# Altium PCB MB1605.PcbDoc (part 11 of 11)
Units mm, origin at the board's own origin, x right, y up, seen from the top; angles counter-clockwise.
Board outline 100 x 79.6 mm, 6 copper layers (Top Layer, Signal Layer 1, Signal Layer 2, Signal Layer 3, Signal Layer 4, Bottom Layer), stack 1.549 mm thick; 644 components, 529 nets, 2853 pads, 1462 vias.
Unrouted connection lines stored in the file: 2.
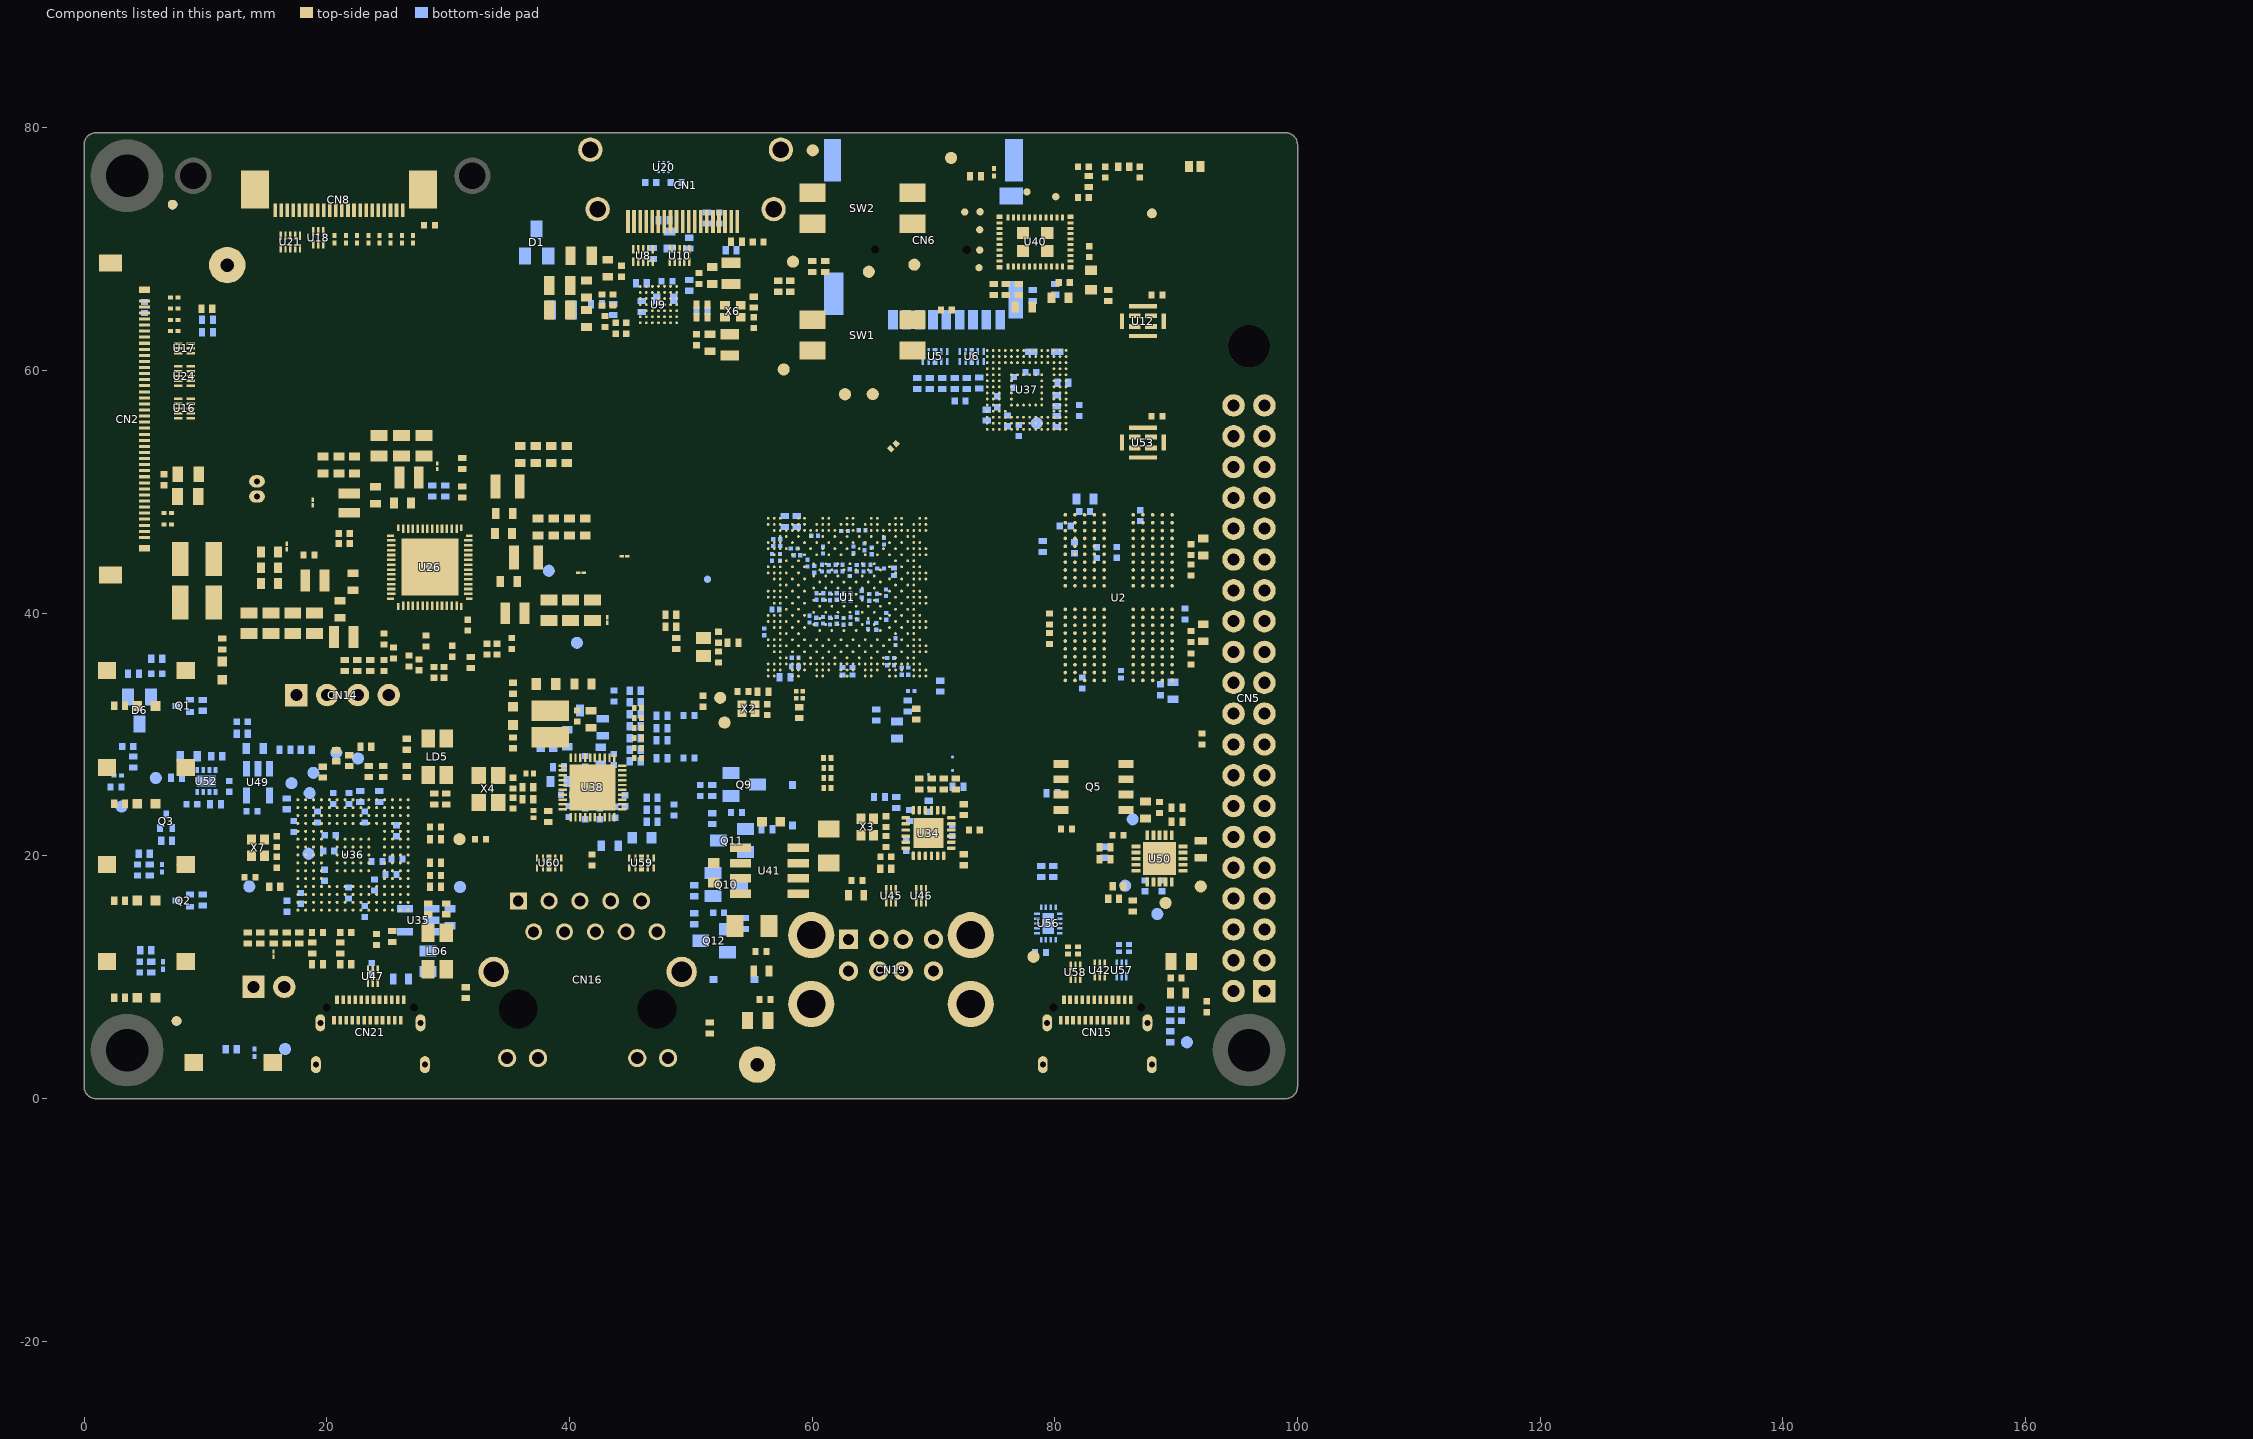
[diagram p15: the components of this part, seen from the top]

## Other copper
Top Layer:
  rectangle net 5V_STLK: 9.039,50.774 10.264,52.124
  rectangle net GND: 9.414,48.925 10.264,50.325
  rectangle net VDD2_DDR: 15.655,41.8 18.625,43.6
  region net 5V_STLK: 86.495,22.224 86.495,25.487 82.045,25.487 82.045,22.224
  region net 5V_STLK: 55.12,5.756 55.12,7.156 52.72,7.156 52.72,5.756
  pour cut-out: 90,78.05 cw(c89.925,78.05) 89.925,77.975 82.8,77.975 ccw(c82.8,76.8) 81.625,76.8 81.625,73.8 cw(c81.55,73.8) 81.55,73.725 81.075,73.725 ccw(c81.075,73.575) 80.925,73.575 80.925,71.075 ccw(c81,71.075) 81,71 81.904,71 ccw(c81.904,73.072) 83.975,73.072 83.975,75.494 cw(c84.106,75.494) 84.106,75.625 89.925,75.625 cw(c89.925,75.55) 90,75.55 90,65.6 101.05,65.6 101.05,80 90,80
  region: 174.525,73.275 ccw(c174.575,73.275) 174.575,73.225 174.975,73.225 ccw(c174.975,73.275) 175.025,73.275 175.025,84.175 ccw(c174.975,84.175) 174.975,84.225 167.4,84.225 167.4,83.725 174.525,83.725
  region net NetL1_1: 27.572,49.875 ccw(c27.269,49.883) 27.478,50.102 27.455,50.125 27.455,50.187 27.526,50.194 ccw(c27.525,50.194) 27.525,50.195 27.675,50.075
  region net GND: 32.225,44 32.15,43.925 32.072,43.925 cw(c32.072,43.798) 32.162,43.888 32.188,43.862 ccw(c32.278,43.952) 32.278,43.825 32.947,43.825 cw(c32.947,43.698) 33.037,43.788 33.1,43.725 33.229,43.854 cw(c33.28,43.803) 33.28,43.875
  region net 5V_STLK: 33.605,47.78 33.43,47.672 ccw(c33.563,47.473) 33.394,47.642 33.353,47.601 ccw(c33.613,47.342) 33.246,47.342 33.246,47.326 ccw(c33.601,47.326) 33.35,47.075 33.35,45.539 33.349,45.538 33.347,45.551 32.876,45.08 32.27,45.08 32.27,45.345 32.506,45.345 32.98,45.819 32.98,48.347 33.308,48.67 34.325,48.67 34.325,47.78
  region net 5V_STLK: 25.23,48.524 25.131,48.425 24.775,48.425 cw(c24.775,48.775) 24.425,48.775 24.425,48.825 23.7,48.825 ccw(c23.7,48.75) 23.625,48.75 23.625,48.4 ccw(c23.827,48.397) 23.825,48.195 26.45,48.195 26.85,47.8 27.112,47.8 26.391,48.521 26.125,48.525
  region net GND: 24.9,47.685 24.807,47.685 ccw(c24.807,47.584) 24.735,47.655 24.455,47.375 ccw(c24.526,47.303) 24.425,47.303 24.425,46.975 24.925,46.975 cw(c25.323,46.982) 25.315,47.38 25.575,47.375 ccw(c25.575,47.423) 25.609,47.389 25.705,47.485
  region: 99,66.175 ccw(c99.05,66.175) 99.05,66.125 99.45,66.125 ccw(c99.45,66.175) 99.5,66.175 99.5,77.075 ccw(c99.45,77.075) 99.45,77.125 91.875,77.125 91.875,76.625 99,76.625
  pour cut-out: 70.033,46.694 74.981,51.642 87.419,51.642 90.759,48.302 90.759,33.774 86.353,29.368 75.322,29.368 69.961,34.644
  pour cut-out: 45.292,67.365 49.286,67.365 49.286,63.578 45.292,63.578
  pour cut-out: 74.075,62 81.35,62 81.35,54.798 74.075,54.798
  pour cut-out: 80.525,48.72 90.26,48.72 90.26,34.328 80.525,34.328
  pour cut-out: 55.55,48.775 69.762,48.775 69.762,34.3 55.55,34.3
  pour cut-out: 17.29,24.95 27.025,24.95 27.025,15.175 17.29,15.175
  region net GND: 39,41.298 39,42.651 37.6,42.651 37.6,41.298
  region net GND: 40.8,41.298 40.8,42.651 39.4,42.651 39.4,41.298
  region net GND: 42.6,41.298 42.6,42.651 41.2,42.651 41.2,41.298
  pour cut-out: 40.075,31.025 40.075,30.725 36.85,30.725 36.85,31.05
  region net NetQ5_7: 82.045,25.887 82.045,28.387 91.336,28.387 93.46,26.262 93.46,20.94 91.525,20.94 91.525,22.442 91.617,22.534 91.617,24.297 90.027,25.887
  region net GND: 36.502,42.375 36.307,42.18 36,42.18 36,43.07 36.475,43.07 36.67,42.875 36.67,42.375
  region net GND: 36.325,47.975 36.13,47.78 35.275,47.78 35.275,48.67 36.13,48.67 36.325,48.475
  region net GND: 24.275,51.373 24.47,51.178 24.47,50.723 23.58,50.723 23.58,51.178 23.775,51.373
  region net GND: 36.3,46.325 36.105,46.13 35.25,46.13 35.25,47.02 36.105,47.02 36.3,46.825
  region net GND: 37.65,48.825 37.845,48.63 37.845,47.775 36.955,47.775 36.955,48.63 37.15,48.825
  region net GND: 38.95,48.825 39.145,48.63 39.145,47.775 38.255,47.775 38.255,48.63 38.45,48.825
  region net GND: 40.25,48.825 40.445,48.63 40.445,47.775 39.555,47.775 39.555,48.63 39.75,48.825
  region net GND: 41.55,48.825 41.745,48.63 41.745,47.775 40.855,47.775 40.855,48.63 41.05,48.825
  region net VDDIO: 41.58,38.835 41.58,38.719 41.227,38.366 41.227,37.235 41.58,37.235 42.22,37.235 42.577,37.235 42.577,38.431 42.22,38.788 42.22,39.212 41.58,39.212
  region net 5V_STLK: 20.075,39.948 20.725,39.948 20.725,39.305 20.42,39.305 20.325,39.4 20.075,39.4
  region net GND: 19.025,40.798 19.175,40.648 19.175,40.398 18.3,40.398 18.3,40.823 18.525,41.048 19.025,41.048
  region net GND: 19.025,40.798 18.875,40.648 18.875,40.398 19.7,40.398 19.7,40.873 19.525,41.048 19.025,41.048
  region net GND: 17.225,40.798 17.375,40.648 17.375,40.398 16.5,40.398 16.5,40.823 16.725,41.048 17.225,41.048
  region net GND: 17.225,40.798 17.075,40.648 17.075,40.398 17.9,40.398 17.9,40.873 17.725,41.048 17.225,41.048
  region net GND: 15.425,40.798 15.575,40.648 15.575,40.398 14.7,40.398 14.7,40.823 14.925,41.048 15.425,41.048
  region net GND: 15.425,40.798 15.275,40.648 15.275,40.398 16.1,40.398 16.1,40.873 15.925,41.048 15.425,41.048
  region net GND: 13.625,40.798 13.775,40.648 13.775,40.398 12.9,40.398 12.9,40.823 13.125,41.048 13.625,41.048
  region net GND: 13.625,40.798 13.475,40.648 13.475,40.398 14.3,40.398 14.3,40.873 14.125,41.048 13.625,41.048
  region net GND: 20.075,40.75 20.12,40.705 20.68,40.705 20.725,40.75 20.725,41.345 20.42,41.345 20.325,41.25 20.075,41.25
  region net 5V_STLK: 23.25,43.62 23.25,43.4 22.83,42.98 21.15,42.98 21.15,43.525 21.4,43.525 21.495,43.62
  region net GND: 21.925,40.952 21.73,41.147 21.73,41.602 22.62,41.602 22.62,41.147 22.425,40.952
  region net 5V_STLK: 27.175,49.85 27.27,49.755 27.27,49.45 26.63,49.45 26.63,49.805 26.675,49.85 26.675,50.1 27.175,50.1
  region net GND: 24.6,49.323 24.797,49.52 25.25,49.52 25.25,48.63 24.793,48.63 24.6,48.823
  region net VDD2_DDR: 16.295,45.615 16.295,45.731 16.648,46.084 16.648,47.215 16.295,47.215 15.655,47.215 15.298,47.215 15.298,46.019 15.655,45.662 15.655,45.238 16.295,45.238
  region net GND: 13.6,42.7 13.795,42.895 14.575,42.895 14.575,42.005 13.795,42.005 13.6,42.2
  region net GND: 13.6,44 13.795,44.195 14.575,44.195 14.575,43.305 13.795,43.305 13.6,43.5
  region net GND: 13.6,45.3 13.795,45.495 14.575,45.495 14.575,44.605 13.795,44.605 13.6,44.8
  region net GND: 22.55,53.873 22.745,53.678 22.745,53.223 21.855,53.223 21.855,53.678 22.05,53.873
  region net GND: 21.25,53.873 21.445,53.678 21.445,53.223 20.555,53.223 20.555,53.678 20.75,53.873
  region net GND: 19.95,53.873 20.145,53.678 20.145,53.223 19.255,53.223 19.255,53.678 19.45,53.873
  region net GND: 40.025,54.825 40.22,54.63 40.22,53.775 39.33,53.775 39.33,54.63 39.525,54.825
  region net GND: 38.75,54.825 38.945,54.63 38.945,53.775 38.055,53.775 38.055,54.63 38.25,54.825
  region net GND: 37.475,54.825 37.67,54.63 37.67,53.775 36.78,53.775 36.78,54.63 36.975,54.825
  region net GND: 36.2,54.825 36.395,54.63 36.395,53.775 35.505,53.775 35.505,54.63 35.7,54.825
  region net GND: 24.325,55.425 24.475,55.275 24.475,55.025 23.6,55.025 23.6,55.45 23.825,55.675 24.325,55.675
  region net GND: 24.325,55.425 24.175,55.275 24.175,55.025 25,55.025 25,55.5 24.825,55.675 24.325,55.675
  region net GND: 26.175,55.425 26.025,55.275 26.025,55.025 26.85,55.025 26.85,55.5 26.675,55.675 26.175,55.675
  region net GND: 26.175,55.425 26.325,55.275 26.325,55.025 25.45,55.025 25.45,55.45 25.675,55.675 26.175,55.675
  region net GND: 28.025,55.425 27.875,55.275 27.875,55.025 28.7,55.025 28.7,55.5 28.525,55.675 28.025,55.675
  region net GND: 28.025,55.425 28.175,55.275 28.175,55.025 27.3,55.025 27.3,55.45 27.525,55.675 28.025,55.675
  region net NetL2_1: 33.65,50.225 33.65,49.45 33.515,49.45 32.825,48.76 32.825,46 32.35,45.525 32.025,45.525 32.025,45.675 32.114,45.675 32.27,45.831 32.45,46.011 32.505,46.094 32.525,46.191 32.525,46.742 32.57,46.85 32.57,47.01 32.509,47.157 32.397,47.269 32.27,47.322 32.25,47.325 32.25,51.102 32.598,51.45 33.515,51.45 33.65,51.315 33.65,51.2
  region net NetL4_1: 34.525,45.6 34.525,43.6 35.434,43.6 35.434,45.6
  region net NetL3_1: 22.575,46.975 21.388,48.162 22.488,48.162 22.575,48.075 26.18,48.075 26.42,47.835 24.79,47.835 24.768,47.833 24.748,47.829 24.72,47.82 24.701,47.813 24.675,47.799 24.658,47.788 24.635,47.769 24.341,47.474 24.322,47.452 24.311,47.435 24.302,47.419 24.29,47.39 24.286,47.378 24.281,47.362 24.277,47.342 24.276,47.327 24.274,47.313 24.274,46.975
  region net NetL3_1: 23.783,48.045 23.754,48.048 23.725,48.057 23.651,48.089 23.625,48.103 23.603,48.122 23.547,48.18 23.528,48.203 23.514,48.229 23.488,48.294 23.481,48.316 23.458,48.347 23.433,48.367 23.397,48.391 23.351,48.4 22.575,48.4 22.575,47.263
  region net NetL7_1: 22.875,38.35 22.575,38.05 21.8,38.05 21.8,38.95 22.875,40.02
  region net NetL1_1: 27.995,50.275 27.65,49.93 27.195,50.385 27.195,52.075 27.995,52.075
  region net NetL5_1: 19.425,43.948 19.65,44.173 21.025,44.173 21.025,42.323 20.502,41.8 20.225,41.8 19.425,41.8
  region net 5V_STLK: 34.125,45.25 33.55,44.675 32.875,44.675 32.875,44.85 33.4,45.375
  region net GND: 32.83,44.125 33.28,44.125 33.28,43.825 33.155,43.7 32.98,43.875 32.83,43.875
  region net 5V_STLK: 34.075,41.85 33.977,41.948 33.977,42.625 34.62,42.625 34.62,41.895 34.575,41.85 34.575,41.6 34.075,41.6
  region net 5V_STLK: 34.075,41.875 34.075,42.125 33.175,43.025 33.925,43.025 34.247,42.703
  region net 5V_STLK: 34.195,46.175 34.195,45.32 34.125,45.25 34,45.375 33.4,45.375 33.555,45.53 33.555,46.175
  pour cut-out: 42.6,39.925 37.63,39.925 37.63,40.575 42.6,40.575
  pour cut-out: 12.9,38.773 19.55,38.773 19.55,39.573 12.9,39.573
  region net 5V_STLK: 34.175,49 34.325,48.85 34.325,48.6 33.525,48.6 33.525,48.85 33.675,49 33.675,49.25 34.175,49.25
  region net 5V_STLK: 23.25,49.3 23.295,49.345 23.65,49.345 23.65,48.65 23.4,48.65 23.25,48.8 23,48.8 23,49.3
  region net GND: 31.921,46.656 32.02,46.656 32.049,46.653 32.078,46.644 32.104,46.63 32.127,46.612 32.145,46.589 32.17,46.555 32.17,46.23 32.27,46.23 32.27,46.93 31.921,46.93
  region net 5V_STLK: 27.425,47.725 27.4,47.725 26.63,48.495 26.63,48.825 27.27,48.825 27.27,48.605 27.4,48.475 27.4,47.925
  region net GND: 25.575,47.375 25.24,47.375 25.24,47.385
  pour cut-out: 35.9,41.075 35.1,41.075 35.1,38.975 35.9,38.975
  pour cut-out: 36.955,45.45 35.895,45.45 35.895,43.35 36.955,43.35
  pour cut-out: 35.445,51.25 34.385,51.25 34.385,49.15 35.445,49.15
  pour cut-out: 21.94,39.1 20.88,39.1 20.88,37 21.94,37
  pour cut-out: 27.155,52.225 26.435,52.225 26.435,50.125 27.155,50.125
  pour cut-out: 20.8,49.605 20.8,48.545 22.9,48.545 22.9,49.605
  pour cut-out: 21.5,40.6 19.55,40.6 19.55,40.025 21.5,40.025
  region net 5V_STLK: 22.875,40.9 22.716,40.9 22.689,40.874 22.648,40.842 22.602,40.815 22.554,40.795 22.503,40.782 22.451,40.775 22.425,40.774 21.925,40.774 21.899,40.775 21.847,40.782 21.796,40.795 21.748,40.815 21.702,40.842 21.661,40.874 21.65,40.45 21.65,39.945 21.375,39.945 21.375,39.305 21.83,39.305 22.599,40.074 22.599,40.184 22.603,40.227 22.613,40.27 22.629,40.31 22.652,40.346 22.68,40.379 23.038,40.737
  pour cut-out: 18.495,41.65 19.555,41.65 19.555,43.75 18.495,43.75
  pour cut-out: 35.855,40.875 37.63,40.875 37.63,39.6 36.3,39.6
  region net 5V_STLK: 34.125,47.35 34.275,47.2 34.275,46.95 33.475,46.95 33.475,47.2 33.625,47.35 33.625,47.6 34.125,47.6
  text "1" at 1.614,70.692 h2
Signal Layer 1:
  text "2" at 2.9,70.692 h2
Signal Layer 2:
  text "3" at 4.406,70.703 h2
Signal Layer 3:
  text "4" at 6.769,70.694 h2
Signal Layer 4:
  text "5" at 8.249,70.713 h2
Bottom Layer:
  pour cut-out: 76.092,40.03 76.093,40.029 76.093,31.983 79.372,28.704 79.398,28.729 95.509,28.729 98.821,32.041 98.812,32.05 98.812,37.325 97.242,38.896 86.519,38.896 83.809,41.606 77.671,41.606 76.093,40.028
  region net 5V_STLK: 9.986,26.827 9.186,26.827 9.186,27.922 9.016,28.092 9.016,30.012 10.936,30.012 10.936,29.592 10.566,29.222 9.986,28.642
  region net VBUS_STLK: 10.286,22.707 10.286,23.099 9.986,23.399 9.986,25.527 9.186,25.527 9.186,23.886 8.421,23.121 8.421,22.729 9.126,22.024 9.603,22.024
  text "6" at 9.748,70.702 h2

## Silkscreen, mask and mechanical layers (free items; w line width, h text height)
Top Overlay:
  lines w0.15: 11.334,29.846 11.334,29.518 11.547,29.305 19.167,29.305 19.698,28.774 19.698,28.351 ; 35.752,26.883 35.94,27.259 ; 35.779,21.512 36.182,24.097 ; 49.675,62.725 49.675,64.55 50.025,64.9
  text "BOOT3" at 68.063,75.618 h1.2
  text "HDMI" at 36.968,75.21 h2
  text "CSI" at 29.699,72.452 h2
  text "GND" at 10.739,70.565 h1.2
  text "BOOT2" at 68.089,69.878 h1.2
  text "BOOT1" at 68.034,65.693 h1.2
  text "J" at 20.837,60.494 h15
  text "MB1605C" at 19.907,58.875 h3
  text "BOOT0" at 67.488,58.48 h1.2
  text "I" at 11.65,56.115 h15
  text "G" at 33.288,55.556 h11
  text "E" at 44.597,52.495 h12
  text "H" at 44.461,45.08 h15
  text "F" at 71.3,42.158 h12
  text "LVDS" at 1.176,40.909 h2
  text "WAKE UP" at 1.063,37.75 h2
  text "RESERVED" at 15.964,30.434 h2
  text "TAMPER" at 1.34,29.563 h2
  text "C" at 70.691,29.487 h11
  text "COM" at 32.263,28.177 h2 r90
  text "USER2" at 2.272,21.666 h2
  text "USER1" at 2.142,13.697 h2
  text "PWR" at 32.19,10.17 h2 r90
  text "RESET" at 9.548,5.243 h2
  text "GND" at 53.71,1.714 h1.2 r90
  text "USB" at 59.366,1.505 h2 r90
  text "ETH" at 51.79,1.405 h2 r90
  text "USB DRD" at 78.165,0.395 h2 r90
  text "USB PWR / STLNK" at 31.533,0.355 h2 r90
Bottom Overlay:
  lines w0.15: 57.925,42.3 58.15,42.525 58.15,44.475
Top Solder:
  region: 1.325,72.334 1.325,70.334 10.075,70.334 10.075,72.334
Bottom Solder:
  region: 1.325,72.334 1.325,70.334 10.075,70.334 10.075,72.334
M1-Board Shape:
  the board outline again, w0.02
M2-Board Dimensions:
  drawing of 613 lines, arcs and shapes, not listed
M3-Top Dimensions:
  drawing of 208 lines, arcs and shapes, not listed
M4-Bottom Dimensions:
  drawing of 328 lines, arcs and shapes, not listed
M5-Top Constraints:
  drawing of 298 lines, arcs and shapes, not listed
M6-Bottom Constraints:
  drawing of 290 lines, arcs and shapes, not listed
Top M7-Top Info/M8_Bottom info:
  drawing of 432 lines, arcs and shapes, not listed
Bottom M7-Top Info/M8_Bottom info:
  drawing of 290 lines, arcs and shapes, not listed
Mechanical 9:
  drawing of 292 lines, arcs and shapes, not listed
Mechanical 10:
  lines w0.013: -857.045,-807.285 -856.41,-807.285 -856.41,-807.641 ; 139.25,87.023 164.25,87.023 164.25,73.023
Drill Drawing:
  drawing of 358 lines, arcs and shapes, not listed
  text "Layer" at 122.2,127.475 h2
  text "Name" at 130.567,127.475 h2
  text "Material" at 146.741,127.475 h2
  text "Thickness" at 161.275,127.475 h2
  text "Constant" at 173.215,127.475 h2
  text "PCB SPECIFICATIONS :" at -27.02,127.275 h3
  text "Top Overlay" at 130.567,123.475 h2
  text "A.   MATERIAL :" at -27.02,123.275 h3
  text "FR-4" at 11.48,123.275 h3
  text "TG-170" at 27.98,123.275 h3
  text "X  TG-150" at 46.23,123.275 h3
  text "TG-140" at 62.23,123.275 h3
  text "B.   MATERIAL FAMILY :" at -27.02,120.275 h3
  text "N/A" at 11.48,120.275 h3
  text "Top Solder" at 130.567,119.475 h2
  text "Solder Resist" at 146.741,119.475 h2
  text "0.025mm" at 161.275,119.475 h2
  text "3.5" at 173.215,119.475 h2
  text "C.   SOLDERMASK COLOR :" at -27.02,117.275 h3
  text "GREEN" at 11.48,117.275 h3
  text "X  BLUE" at 27.98,117.275 h3
  text "RED" at 46.23,117.275 h3
  text "BLACK" at 62.23,117.275 h3
  text "1" at 122.2,115.475 h2
  text "Top Layer" at 130.567,115.475 h2
  text "0.037mm" at 161.275,115.475 h2
  text "D.   SILKSCREEN COLOR :" at -27.02,114.275 h3
  text "X  WHITE" at 11.48,114.275 h3
  text "YELLOW" at 27.98,114.275 h3
  text "BLACK" at 46.23,114.275 h3
  text "PCB : TYPE 4" at 187.138,113.471 h3
  text "Dielectric 1" at 130.567,111.475 h2
  text "0.072mm" at 161.275,111.475 h2
  text "3.8" at 173.215,111.475 h2
  text "E.   SURFACE FINISH :" at -27.02,111.275 h3
  text "X  ENIG" at 11.48,111.275 h3
  text "IMMERSION SILVER" at 27.98,111.275 h3
  text "IMMERSION TIN" at 62.23,111.275 h3
  text "HASL" at 11.48,108.275 h3
  text "HASL (PB-FREE)" at 27.98,108.275 h3
  text "GOLDEN FINGER" at 62.23,108.275 h3
  text "ASPECT-RATIO, AXE Z :" at 187.138,107.971 h3
  text "2" at 122.199,107.475 h2
  text "Signal Layer 1" at 130.567,107.475 h2
  text "0.035mm" at 161.275,107.475 h2
  text "F.   IMPEDANCE CONTROL :" at -27.02,105.275 h3
  text "NO" at 11.48,105.275 h3
  text "X  YES" at 27.98,105.275 h3
  text "Dielectric 2" at 130.567,103.475 h2
  text "0.500mm" at 161.275,103.475 h2
  text "5" at 173.215,103.475 h2
  text "G.   THROUGH VIA :" at -27.02,102.275 h3
  text "PLUG THE VIAS WHICH ARE COVERED WITH SOLDERMASK ONE OR TWO SIDE." at 11.48,102.275 h3
  text "6 :1  to  8 :1 / LEVEL \"B\"" at 187.157,101.224 h3
  text "3" at 122.2,99.475 h2
  text "Signal Layer 2" at 130.567,99.475 h2
  text "0.035mm" at 161.275,99.475 h2
  text "PLUG MATERIAL :" at 11.48,99.275 h3
  text "X  SOLDERMASK" at 36.98,99.275 h3
  text "NON-CONDUCTIVE EPOXY." at 62.23,99.275 h3
  text "H.   STACK-UP :" at -27.02,96.275 h3
  text "SEE LAYER STACK-UP SEQUENCE FOR OVERALL THICKNESS." at 11.48,96.275 h3
  text "Dielectric 3" at 130.567,95.475 h2
  text "0.191mm" at 161.275,95.475 h2
  text "4.3" at 173.215,95.475 h2
  text "4" at 122.2,91.475 h2
  text "Signal Layer 3" at 130.567,91.475 h2
  text "0.035mm" at 161.275,91.475 h2
  text "MINIMUN PARAMETERS" at 187.25,89.695 h3
  text "Dielectric 4" at 130.567,87.475 h2
  text "0.500mm" at 161.275,87.475 h2
  text "5" at 173.215,87.475 h2
  text "DEFAULT" at 187.25,84.195 h3
  text "5" at 122.2,83.475 h2
  text "Signal Layer 4" at 130.567,83.475 h2
  text "0.035mm" at 161.275,83.475 h2
  text "Dielectric 5" at 130.567,79.475 h2
  text "0.072mm" at 161.275,79.475 h2
  text "3.8" at 173.215,79.475 h2
  text "TRACKS : 0.100mm           / GAPS : 0.100mm" at 187.25,78.445 h3
  text "6" at 122.2,75.475 h2
  text "Bottom Layer" at 130.567,75.475 h2
  text "0.037mm" at 161.275,75.475 h2
  text "BGA :" at 187.225,73.62 h3
  text "Bottom Solder" at 130.567,71.475 h2
  text "Solder Resist" at 146.741,71.475 h2
  text "0.025mm" at 161.275,71.475 h2
  text "3.5" at 173.215,71.475 h2
  text "TRACKS : 0.090mm           / GAPS : 0.090mm" at 187.225,67.87 h3
  text "Bottom Overlay" at 130.567,67.475 h2
  text "Symbol" at 108.266,55.347 h2.4
  text "Count" at 117.656,55.347 h2.4
  text "Hole Size" at 128.267,55.347 h2.4
  text "Plated" at 139.67,55.347 h2.4
  text "Hole Type" at 147.915,55.347 h2.4
  text "Drill Layer Pair" at 159.916,55.347 h2.4
  text "Via/Pad" at 183.096,55.347 h2.4
  text "Pad Shape" at 192.929,55.347 h2.4
  text "Hole Length" at 205.775,55.347 h2.4
  text "29" at 117.656,51.208 h2
  text "0.100mm" at 128.267,51.208 h2
  text "PTH" at 139.67,51.208 h2
  text "Round" at 147.915,51.208 h2
  text "Top Layer - Signal Layer 1" at 159.916,51.208 h2
  text "Via" at 183.096,51.208 h2
  text "Rounded" at 192.929,51.208 h2
  text "-" at 205.775,51.208 h2
  text "E" at 107.478,50.954 h1.84
  text "610" at 117.656,47.068 h2
  text "0.200mm" at 128.267,47.068 h2
  text "PTH" at 139.67,47.068 h2
  text "Round" at 147.915,47.068 h2
  text "Top Layer - Bottom Layer" at 159.916,47.068 h2
  text "Via" at 183.096,47.068 h2
  text "Rounded" at 192.929,47.068 h2
  text "-" at 205.775,47.068 h2
  text "D" at 107.478,46.814 h1.84
  text "823" at 117.656,42.928 h2
  text "0.350mm" at 128.267,42.928 h2
  text "PTH" at 139.67,42.928 h2
  text "Round" at 147.915,42.928 h2
  text "Top Layer - Bottom Layer" at 159.916,42.928 h2
  text "Via" at 183.096,42.928 h2
  text "Rounded" at 192.929,42.928 h2
  text "-" at 205.775,42.928 h2
  text "C" at 107.478,42.675 h1.84
  text "2" at 117.656,38.788 h2
  text "0.500mm" at 128.267,38.788 h2
  text "PTH" at 139.67,38.788 h2
  text "Round" at 147.915,38.788 h2
  text "Top Layer - Bottom Layer" at 159.916,38.788 h2
  text "Pad" at 183.096,38.788 h2
  text "Rounded" at 192.929,38.788 h2
  text "-" at 205.775,38.788 h2
  text "8" at 117.656,34.649 h2
  text "0.500mm" at 128.267,34.649 h2
  text "PTH" at 139.67,34.649 h2
  text "Slot" at 147.915,34.649 h2
  text "Top Layer - Bottom Layer" at 159.916,34.649 h2
  text "Pad" at 183.096,34.649 h2
  text "Rounded" at 192.929,34.649 h2
  text "1.100mm" at 205.775,34.649 h2
  text "3" at 117.656,30.509 h2
  text "0.650mm" at 128.267,30.509 h2
  text "NPTH" at 139.67,30.509 h2
  text "Round" at 147.915,30.509 h2
  text "Top Layer - Bottom Layer" at 159.916,30.509 h2
  text "Pad" at 183.096,30.509 h2
  text "Rounded" at 192.929,30.509 h2
  text "-" at 205.775,30.509 h2
  text "2" at 117.656,26.369 h2
  text "0.650mm" at 128.267,26.369 h2
  text "NPTH" at 139.67,26.369 h2
  text "Slot" at 147.915,26.369 h2
  text "Top Layer - Bottom Layer" at 159.916,26.369 h2
  text "Pad" at 183.096,26.369 h2
  text "Rounded" at 192.929,26.369 h2
  text "0.950mm" at 205.775,26.369 h2
  text "1" at 117.656,22.23 h2
  text "0.700mm" at 128.267,22.23 h2
  text "NPTH" at 139.67,22.23 h2
  text "Round" at 147.915,22.23 h2
  text "Top Layer - Bottom Layer" at 159.916,22.23 h2
  text "Pad" at 183.096,22.23 h2
  text "Rounded" at 192.929,22.23 h2
  text "-" at 205.775,22.23 h2
  text "10" at 117.656,18.09 h2
  text "0.900mm" at 128.267,18.09 h2
  text "PTH" at 139.67,18.09 h2
  text "Round" at 147.915,18.09 h2
  text "Top Layer - Bottom Layer" at 159.916,18.09 h2
  text "Pad" at 183.096,18.09 h2
  text "(Mixed)" at 192.929,18.09 h2
  text "-" at 205.775,18.09 h2
  text "8" at 117.656,13.95 h2
  text "0.920mm" at 128.267,13.95 h2
  text "PTH" at 139.67,13.95 h2
  text "Round" at 147.915,13.95 h2
  text "Top Layer - Bottom Layer" at 159.916,13.95 h2
  text "Pad" at 183.096,13.95 h2
  text "(Mixed)" at 192.929,13.95 h2
  text "-" at 205.775,13.95 h2
  text "A" at 107.478,13.696 h1.84
  text "50" at 117.656,9.81 h2
  text "1.000mm" at 128.267,9.81 h2
  text "PTH" at 139.67,9.81 h2
  text "Round" at 147.915,9.81 h2
  text "Top Layer - Bottom Layer" at 159.916,9.81 h2
  text "Pad" at 183.096,9.81 h2
  text "Rounded" at 192.929,9.81 h2
  text "-" at 205.775,9.81 h2
  text "2" at 117.656,5.671 h2
  text "1.100mm" at 128.267,5.671 h2
  text "PTH" at 139.67,5.671 h2
  text "Round" at 147.915,5.671 h2
  text "Top Layer - Bottom Layer" at 159.916,5.671 h2
  text "Pad" at 183.096,5.671 h2
  text "Rounded" at 192.929,5.671 h2
  text "-" at 205.775,5.671 h2
  text "4" at 117.656,1.531 h2
  text "1.350mm" at 128.267,1.531 h2
  text "PTH" at 139.67,1.531 h2
  text "Round" at 147.915,1.531 h2
  text "Top Layer - Bottom Layer" at 159.916,1.531 h2
  text "Pad" at 183.096,1.531 h2
  text "Rounded" at 192.929,1.531 h2
  text "-" at 205.775,1.531 h2
  text "2" at 117.656,-2.609 h2
  text "1.700mm" at 128.267,-2.609 h2
  text "PTH" at 139.67,-2.609 h2
  text "Round" at 147.915,-2.609 h2
  text "Top Layer - Bottom Layer" at 159.916,-2.609 h2
  text "Pad" at 183.096,-2.609 h2
  text "Rounded" at 192.929,-2.609 h2
  text "-" at 205.775,-2.609 h2
  text "2" at 117.656,-6.748 h2
  text "2.200mm" at 128.267,-6.748 h2
  text "PTH" at 139.67,-6.748 h2
  text "Round" at 147.915,-6.748 h2
  text "Top Layer - Bottom Layer" at 159.916,-6.748 h2
  text "Pad" at 183.096,-6.748 h2
  text "Rounded" at 192.929,-6.748 h2
  text "-" at 205.775,-6.748 h2
  text "4" at 117.656,-10.888 h2
  text "2.330mm" at 128.267,-10.888 h2
  text "PTH" at 139.67,-10.888 h2
  text "Round" at 147.915,-10.888 h2
  text "Top Layer - Bottom Layer" at 159.916,-10.888 h2
  text "Pad" at 183.096,-10.888 h2
  text "Rounded" at 192.929,-10.888 h2
  text "-" at 205.775,-10.888 h2
  text "B" at 107.478,-11.142 h1.84
  text "2" at 117.656,-15.028 h2
  text "3.200mm" at 128.267,-15.028 h2
  text "NPTH" at 139.67,-15.028 h2
  text "Round" at 147.915,-15.028 h2
  text "Top Layer - Bottom Layer" at 159.916,-15.028 h2
  text "Pad" at 183.096,-15.028 h2
  text "Rounded" at 192.929,-15.028 h2
  text "-" at 205.775,-15.028 h2
  text "1" at 117.656,-19.168 h2
  text "3.500mm" at 128.267,-19.168 h2
  text "NPTH" at 139.67,-19.168 h2
  text "Round" at 147.915,-19.168 h2
  text "Top Layer - Bottom Layer" at 159.916,-19.168 h2
  text "Pad" at 183.096,-19.168 h2
  text "Rounded" at 192.929,-19.168 h2
  text "-" at 205.775,-19.168 h2
  text "3" at 117.656,-23.307 h2
  text "3.500mm" at 128.267,-23.307 h2
  text "PTH" at 139.67,-23.307 h2
  text "Round" at 147.915,-23.307 h2
  text "Top Layer - Bottom Layer" at 159.916,-23.307 h2
  text "Pad" at 183.096,-23.307 h2
  text "Rounded" at 192.929,-23.307 h2
  text "-" at 205.775,-23.307 h2
  text "1566 Total" at 117.656,-27.447 h2
  text "Slot definitions :" at 108.266,-30.345 h2
  text "Routed Path Length" at 121.888,-30.345 h2
  text "= Calculated from tool start centre position to tool end centre position." at 138.771,-30.345 h2
  text "Hole Length" at 121.888,-32.001 h2
  text "= Routed Path Length + Tool Size = Slot length as defined in the PCB layout" at 132.504,-32.001 h2

## Dimensions
1,79.6 to 1,0 on M2-Board Dimensions
0,78.6 to 100,78.6 on M2-Board Dimensions

## Text inside footprints (layer, text, board x,y; h text height)
CART-1: M20-Top Sheet Box "Variant: '.VariantName'" at 5.093,-21.442 h3; M20-Top Sheet Box "Gerber:" at 45.082,-16.442 h3; M20-Top Sheet Box "Layer:" at 5.093,-16.442 h3; M20-Top Sheet Box "R" at 90.589,-23.925 h1.52; M20-Top Sheet Box "Date: '.Board_Document_Date'" at 5.093,-26.442 h3; M20-Top Sheet Box "Ref: '.Board_Reference'" at 45.209,-21.442 h3; M20-Top Sheet Box "Rev: '.Board_PCB_Revision'" at 45.152,-26.442 h3; M20-Top Sheet Box "Project: '.Board_Name'" at 5.093,-11.358 h3; M21-Bottom Sheet Box "Project: '.Board_Name'" at 92.899,-11.358 h3; M21-Bottom Sheet Box "Rev: '.Board_PCB_Revision'" at 52.967,-26.442 h3; M21-Bottom Sheet Box "Ref: '.Board_Reference'" at 52.91,-21.442 h3; M21-Bottom Sheet Box "Date: '.Board_Document_Date'" at 92.899,-26.442 h3; M21-Bottom Sheet Box "R" at 7.784,-23.925 h1.52; M21-Bottom Sheet Box "Layer:" at 92.899,-16.442 h3; M21-Bottom Sheet Box "Gerber:" at 52.91,-16.442 h3; M21-Bottom Sheet Box "Variant: '.VariantName'" at 92.899,-21.442 h3
CN1: Top Assembly "19" at 55.426,72.575 h1.5 r180; Top Assembly "1" at 44.501,72.625 h1.5 r180; Top Overlay "1" at 44.394,72.255 h1.5 r90; Top Overlay "19" at 54.612,71.618 h1.5; Top M7-Top Info/M8_Bottom info "PCB" at 58.976,81.6 h1 r180; Top M7-Top Info/M8_Bottom info "EDGE" at 41.801,81.575 h1 r180
CN2: Top Assembly "40" at 3.85,46.875 h1.2 r270; Top Assembly "1" at 3.894,65.961 h1.2 r270; Top Overlay "40" at 5.6,46.825 h1.2 r270; Top Overlay "1" at 5.6,65.925 h1.2 r270
CN5: Top Assembly "2" at 95.225,8.525 h1.5 r90; Top Assembly "1" at 97.775,8.675 h1.5 r90; Top Assembly "40" at 95.188,56.437 h1.5 r90; Top Assembly "39" at 97.728,56.437 h1.5 r90; Top Overlay "2" at 94.415,6.822 h1.5 r90; Top Overlay "1" at 97.725,7.125 h1.5 r90
CN6: Bottom Assembly "1" at 66.185,65.325 h1.5 r270; Bottom Assembly "9" at 75.01,65.275 h1.5 r270; Bottom Assembly "10" at 75.335,73.7 h1.5 r270; Bottom Overlay "1" at 65.035,63.825 h1.5 r270; Bottom Overlay "9" at 76.135,63.375 h1.5 r270; Bottom Overlay "10" at 76.585,72.025 h1.5 r270; Bottom M7-Top Info/M8_Bottom info "PCB" at 79.185,79.85 h1; Bottom M7-Top Info/M8_Bottom info "EDGE" at 61.61,79.85 h1
CN8: Top Assembly "1" at 15.553,73.39 h1.3 r180; Top Assembly "22" at 27.64,73.39 h1.3 r180; Top Overlay "22" at 26.591,72.394 h1.3; Top Overlay "1" at 14.4,72.158 h1.5
CN12: Top Assembly "1" at 14.65,49.125 h1 r90; Top Assembly "2" at 14.65,51.125 h1 r90; Top Overlay "1" at 15.45,47.65 h1.5 r90
CN14: Top Assembly "1" at 17.305,32.757 h1.5; Top Assembly "4" at 24.73,32.807 h1.5; Top Overlay "1" at 15.655,32.757 h1.5
CN15: Top Assembly "A12" at 85.725,7.825 h0.75; Top Assembly "A1" at 80.3,7.85 h0.75; Top Assembly "B1" at 85.775,6.2 h0.75; Top Assembly "B12" at 79.855,6.175 h0.75; Top Overlay "B12" at 80.903,3.842 h1.3 r90; Top Overlay "A1" at 79.025,8.55 h1.3; Top Overlay "A12" at 86.45,8.6 h1.3; Top Overlay "B1" at 86.333,4.496 h1.3 r90; Top M7-Top Info/M8_Bottom info "EDGE" at 89.625,-0.505 h1; Top M7-Top Info/M8_Bottom info "PCB" at 75.05,-0.505 h1
CN16: Top Assembly "10" at 46.625,13.3 h1.5; Top Assembly "2" at 36.725,13.325 h1.5; Top Assembly "9" at 45.65,15.825 h1.5; Top Assembly "1" at 35.6,15.9 h1.5; Top Assembly "Y" at 46.286,5.74 h1.5; Top Assembly "G" at 35.701,5.74 h1.5; Top Overlay "1" at 32.7,15.775 h1.5; Top M7-Top Info/M8_Bottom info "PCB" at 24.9,-0.725 h1; Top M7-Top Info/M8_Bottom info "EDGE" at 55.7,-0.725 h1
CN19: Top Assembly "1" at 62.8,12.625 h1.5; Top Assembly "2" at 65.15,12.675 h1.5; Top Assembly "3" at 67.175,12.625 h1.5; Top Assembly "4" at 69.6,12.65 h1.5; Top Assembly "5" at 62.65,10.025 h1.5; Top Assembly "6" at 65.175,10.025 h1.5; Top Assembly "7" at 67.175,10.025 h1.5; Top Assembly "8" at 69.675,10 h1.5; Top Overlay "1" at 63.325,15.525 h1.5 r90
CN21: Top Assembly "A12" at 25.825,7.825 h0.75; Top Assembly "A1" at 20.4,7.85 h0.75; Top Assembly "B1" at 25.875,6.2 h0.75; Top Assembly "B12" at 19.955,6.175 h0.75; Top Overlay "B12" at 20.929,3.88 h1.3 r90; Top Overlay "A1" at 19.099,8.566 h1.2; Top Overlay "A12" at 26.55,8.6 h1.2; Top Overlay "B1" at 26.673,4.631 h1.3 r90; Top M7-Top Info/M8_Bottom info "EDGE" at 29.725,-0.505 h1; Top M7-Top Info/M8_Bottom info "PCB" at 15.15,-0.505 h1
D1: Bottom Assembly "3" at 37.45,71.508 h0.7; Bottom Assembly "2" at 36.5,69.133 h0.7; Bottom Assembly "1" at 38.35,69.133 h0.7
D2: Bottom Assembly "K" at 55.477,9.492 h1; Bottom Assembly "A" at 52.162,9.492 h1
D5: Bottom Assembly "K" at 58.055,22.273 h1 r270; Bottom Assembly "A" at 58.055,25.588 h1 r270
D7: Bottom Assembly "K" at 78.1,61.163 h1.2
JP3: Top Assembly "1" at 13.71,8.686 h1.5; Top Overlay "1" at 12.16,8.761 h1.5
LD2: Top Assembly "K" at 35.6,32.445 h0.75 r90
LD4: Top Assembly "K" at 55.726,23.076 h0.75 r180
LD5: Top Assembly "R" at 30.258,28.675 h1.5 r180; Top Assembly "G" at 28.859,28.675 h1.5 r180; Top Overlay "1" at 31.163,27.025 h1.5 r180; Top Overlay "G" at 28.859,28.675 h1.5 r180; Top Overlay "R" at 30.258,28.675 h1.5 r180
LD6: Top Assembly "G" at 29.35,11.669 h1.5; Top Assembly "R" at 27.95,11.669 h1.5; Top Overlay "G" at 29.35,11.669 h1.5; Top Overlay "R" at 27.95,11.669 h1.5; Top Overlay "1" at 27.05,13.644 h1.5
LD7: Top Assembly "K" at 6.036,8.077 h0.75
LD8: Top Assembly "K" at 6.036,24.044 h0.75
LD9: Top Assembly "K" at 6.036,16.077 h0.75
LD11: Top Assembly "K" at 11.136,34.372 h0.75 r270
LED1: Top Assembly "K" at 6.036,32.111 h0.75
Q5: Top Assembly "1" at 81.145,27.562 h1.2 r90; Top Overlay "1" at 80.32,28.337 h1.2 r90
SW1: Top Assembly "2" at 66.817,63.814 h1.5 r90; Top Assembly "1" at 66.817,61.401 h1.5 r90; Top Assembly "4" at 60.37,61.401 h1.3 r90; Top Assembly "3" at 60.36,63.941 h1.3 r90; Top Assembly "2" at 68.765,63.941 h1.3 r90; Top Assembly "1" at 68.765,61.528 h1.3 r90; Top Assembly "ON" at 61.35,59.525 h1.3 r90; Top Assembly "SDA02" at 61.408,62.706 h1.3 r90; Top Overlay "1" at 66.817,61.401 h1.5 r90; Top Overlay "2" at 66.817,63.814 h1.5 r90; Top Overlay "SDA02" at 62.156,62.619 h1.3 r90; Top Overlay "ON" at 62.15,59.55 h1.5 r90; Top Overlay "1" at 69.05,60.4 h1.5 r90
SW2: Top Assembly "SDA02" at 61.35,73.225 h1.3 r90; Top Assembly "ON" at 61.35,69.975 h1.3 r90; Top Assembly "1" at 68.765,71.978 h1.3 r90; Top Assembly "2" at 68.765,74.391 h1.3 r90; Top Assembly "3" at 60.36,74.391 h1.3 r90; Top Assembly "4" at 60.37,71.851 h1.3 r90; Top Assembly "1" at 66.817,71.851 h1.5 r90; Top Assembly "2" at 66.817,74.264 h1.5 r90; Top Overlay "1" at 69.05,70.85 h1.5 r90; Top Overlay "ON" at 62.15,70 h1.5 r90; Top Overlay "SDA02" at 62.025,73.2 h1.3 r90; Top Overlay "2" at 66.817,74.264 h1.5 r90; Top Overlay "1" at 66.817,71.851 h1.5 r90
U1: Top Assembly "A1" at 56.125,47.625 h0.4
U2: Top Assembly "A1" at 89.91,34.64 h0.4 r180; Top Assembly "A8" at 84.385,34.64 h0.4 r180; Top Assembly "A12" at 81.335,34.64 h0.4 r180; Top Assembly "K1" at 89.885,40.49 h0.4 r180; Top Assembly "K5" at 86.76,40.49 h0.4 r180; Top Assembly "K8" at 84.385,40.49 h0.4 r180; Top Assembly "K12" at 81.31,40.49 h0.4 r180; Top Assembly "N1" at 89.91,42.44 h0.4 r180; Top Assembly "N5" at 86.785,42.44 h0.4 r180; Top Assembly "N8" at 84.385,42.44 h0.4 r180; Top Assembly "N12" at 81.335,42.44 h0.4 r180; Top Assembly "AB1" at 90.085,48.29 h0.4 r180; Top Assembly "AB5" at 86.96,48.29 h0.4 r180; Top Assembly "AB8" at 84.56,48.29 h0.4 r180; Top Assembly "AB12" at 81.585,48.29 h0.4 r180; Top Assembly "A5" at 86.785,34.64 h0.4 r180
U3: Top Assembly "K" at 6.867,63.1 h0.45
U4: Top Assembly "K" at 6.854,65.875 h0.45
U7: Top Assembly "K" at 6.854,64.95 h0.45
U8: Top Overlay "1" at 47.1,69.975 h1.4
U9: Top Assembly "A1" at 45.611,66.785 h0.5
U10: Top Overlay "1" at 50.1,70.025 h1.4
U11: Top Assembly "K" at 20.5,71.388 h0.45 r270
U12: Top Assembly "3" at 86.9,63.42 h1 r90; Top Assembly "4" at 88.225,63.395 h1 r90; Top Assembly "2" at 86.875,64.295 h1 r90; Top Assembly "1" at 88.25,64.395 h1 r90; Top Overlay "1" at 90.6,65.475 h1.5 r90
U13: Top Assembly "K" at 6.854,64.025 h0.45
U14: Top Assembly "K" at 23.275,71.388 h0.45 r270
U15: Bottom Assembly "K" at 14.212,4.353 h0.45 r90
U16: Top Overlay "1" at 7.65,57.95 h1.4 r90
U17: Top Overlay "1" at 7.65,62.35 h1.4 r90
U18: Top Overlay "1" at 19.95,71.225 h1.4
U19: Top Assembly "K" at 26.05,71.388 h0.45 r270
U20: Bottom Assembly "A1" at 48.054,76.204 h0.35 r270
U21: Top Overlay "1" at 18.25,71.2 h1.4
U22: Top Assembly "K" at 6.334,48.1 h0.45
U23: Top Assembly "K" at 6.334,47.175 h0.45
U24: Top Overlay "1" at 7.625,60.55 h1.4 r90
U25: Bottom Assembly "K" at 6.563,19.562 h0.45 r90
U26: Top Assembly "56" at 25.625,40.925 h0.5 r90; Top Assembly "43" at 25.625,46.15 h0.5 r90; Top Assembly "42" at 26.05,46.55 h0.5 r90; Top Assembly "29" at 31.25,46.525 h0.5 r90; Top Assembly "28" at 31.7,46.15 h0.5 r90; Top Assembly "15" at 31.675,40.95 h0.5 r90; Top Assembly "14" at 31.25,40.625 h0.5 r90; Top Assembly "1" at 26.05,40.7 h0.5 r90; Top Overlay "1" at 24.911,39.137 h1.5
U27: Bottom Assembly "K" at 6.643,11.55 h0.45 r90
U28: Bottom Assembly "K" at 3.345,26.477 h0.45
U29: Top Assembly "K" at 21.425,71.388 h0.45 r270
U31: Top Assembly "K" at 22.35,71.388 h0.45 r270
U32: Top Assembly "K" at 24.2,71.388 h0.45 r270
U33: Top Assembly "K" at 25.125,71.388 h0.45 r270
U34: Top Assembly "25" at 69.812,21.588 h0.65 r90; Top Assembly "1" at 68.262,19.913 h0.5; Top Assembly "7" at 71.562,20.538 h0.5 r90; Top Assembly "12" at 71.562,22.913 h0.5 r90; Top Assembly "13" at 71.062,23.863 h0.5 r180; Top Assembly "18" at 68.562,23.863 h0.5 r180; Top Assembly "19" at 67.937,22.913 h0.5 r90; Top Assembly "24" at 67.937,20.363 h0.5 r90; Top Assembly "6" at 70.737,19.913 h0.5
U36: Top Assembly "A1" at 17.265,24.482 h0.75
U37: Top Assembly "A1" at 73.55,54.655 h0.5
U38: Top Assembly "41" at 42.05,25.425 h0.5 r90; Top Assembly "1" at 40.25,23.3 h0.5 r90; Top Assembly "10" at 43.85,23.2 h0.5 r90; Top Assembly "11" at 44.35,23.675 h0.5 r90; Top Assembly "20" at 44.35,27.225 h0.5 r90; Top Assembly "21" at 43.85,27.7 h0.5 r90; Top Assembly "30" at 40.25,27.65 h0.5 r90; Top Assembly "31" at 39.775,27.25 h0.5 r90; Top Assembly "40" at 39.775,23.7 h0.5 r90; Top Overlay "1" at 39.925,22.7 h1.5 r90
U39: Top Assembly "K" at 26.975,71.388 h0.45 r270
U40: Top Assembly "44" at 77.6,71.475 h0.5 r180; Top Assembly "43" at 79.625,71.525 h0.5 r180; Top Assembly "46" at 77.6,70 h0.5 r180; Top Assembly "45" at 79.6,70 h0.5 r180; Top Assembly "33" at 81.525,68.675 h0.5 r180; Top Assembly "21" at 75.65,68.675 h0.5 r180; Top Assembly "12" at 75.65,72.85 h0.5 r180; Top Assembly "42" at 81.525,72.85 h0.5 r180; Top Assembly "1" at 80.7,72.775 h0.5 r180; Top Overlay "1" at 81.65,73.4 h1.5 r90
U41: Top Assembly "8" at 58.604,21.003 h1.5 r270; Top Assembly "5" at 58.579,17.178 h1.5 r270; Top Assembly "4" at 53.379,17.203 h1.5 r270; Top Assembly "1" at 53.404,20.878 h1.5 r270
U42: Top Overlay "1" at 82.625,8.825 h1.4
U43: Top Assembly "K" at 89.35,8.377 h1
U44: Top Assembly "K" at 62.825,16.435 h1
U45: Top Overlay "1" at 65.325,15.45 h1.4
U46: Top Overlay "1" at 67.809,15.45 h1.4
U47: Top Overlay "1" at 22.625,8.811 h1.4
U48: Bottom Assembly "K" at 25.31,10.19 h1 r180
U49: Bottom Overlay "1" at 13.081,27.384 h1.5
U50: Top Assembly "1" at 87.775,17.81 h0.5 r90; Top Assembly "5" at 89.775,17.81 h0.5 r90; Top Assembly "6" at 90.6,18.685 h0.5 r90; Top Assembly "10" at 90.6,20.56 h0.5 r90; Top Assembly "11" at 89.775,21.385 h0.5 r90; Top Assembly "15" at 87.775,21.335 h0.5 r90; Top Assembly "16" at 86.975,20.56 h0.5 r90; Top Assembly "20" at 86.975,18.56 h0.5 r90; Top Assembly "21" at 88.775,19.585 h0.5 r90; Top Overlay "1" at 87.375,17.235 h1.5 r90
U51: Top Assembly "K" at 56.62,10.86 h1 r180
U52: Bottom Assembly "1" at 10.661,25.277 h0.5 r270; Bottom Assembly "4" at 9.186,25.252 h0.5 r270; Bottom Assembly "5" at 9.186,26.877 h0.5 r270; Bottom Assembly "8" at 10.661,26.877 h0.5 r270; Bottom Overlay "1" at 11.5,24.75 h1.3
U53: Top Assembly "4" at 88.225,53.395 h1 r90; Top Assembly "3" at 86.9,53.42 h1 r90; Top Assembly "2" at 86.875,54.295 h1 r90; Top Assembly "1" at 88.25,54.395 h1 r90; Top Overlay "1" at 90.525,55.3 h1.5 r90
U54: Top Assembly "K" at 75.125,75.763 h0.45 r90
U56: Bottom Assembly "19" at 79.293,14.174 h0.4 r180; Bottom Assembly "15" at 79.893,13.274 h0.4 r180; Bottom Assembly "18" at 78.705,13.274 h0.4 r180; Bottom Assembly "9" at 79.98,15.861 h0.4 r180; Bottom Assembly "6" at 78.78,15.861 h0.4 r180; Bottom Assembly "14" at 80.143,13.761 h0.4 r180; Bottom Assembly "10" at 80.143,15.351 h0.4 r180; Bottom Assembly "5" at 78.468,15.096 h0.4 r180; Bottom Assembly "1" at 78.517,13.495 h0.4 r180
U57: Bottom Overlay "1" at 86.673,9.323 h1.4
U58: Top Overlay "1" at 80.525,9.138 h1.4
X2: Top Assembly "4" at 55.334,31.96 h0.45 r180; Top Assembly "3" at 54.384,31.96 h0.45 r180; Top Assembly "2" at 54.384,32.61 h0.45 r180; Top Assembly "1" at 55.284,32.61 h0.45 r180
X3: Top Assembly "4" at 64.218,21.64 h0.5 r90; Top Assembly "3" at 64.218,22.915 h0.5 r90; Top Assembly "2" at 65.193,22.915 h0.5 r90; Top Assembly "1" at 65.193,21.665 h0.5 r90
X6: Top Assembly "1" at 54.188,65.545 h0.5 r180; Top Assembly "2" at 52.938,65.545 h0.5 r180; Top Assembly "3" at 52.938,64.57 h0.5 r180; Top Assembly "4" at 54.213,64.57 h0.5 r180
X7: Top Assembly "1" at 13.69,21.407 h0.5 r270; Top Assembly "2" at 13.69,20.157 h0.5 r270; Top Assembly "3" at 14.665,20.157 h0.5 r270; Top Assembly "4" at 14.665,21.432 h0.5 r270